# Altium PCB GD2.PcbDoc (part 2 of 2)
Units mil, origin at the board's own origin, x right, y up, seen from the top; angles counter-clockwise.
Board outline 3937.01 x 3937.01 mil, 4 copper layers (TOP, GND, PWR, BOT), stack 30.634 mil thick; 156 components, 154 nets, 1017 pads, 485 vias.
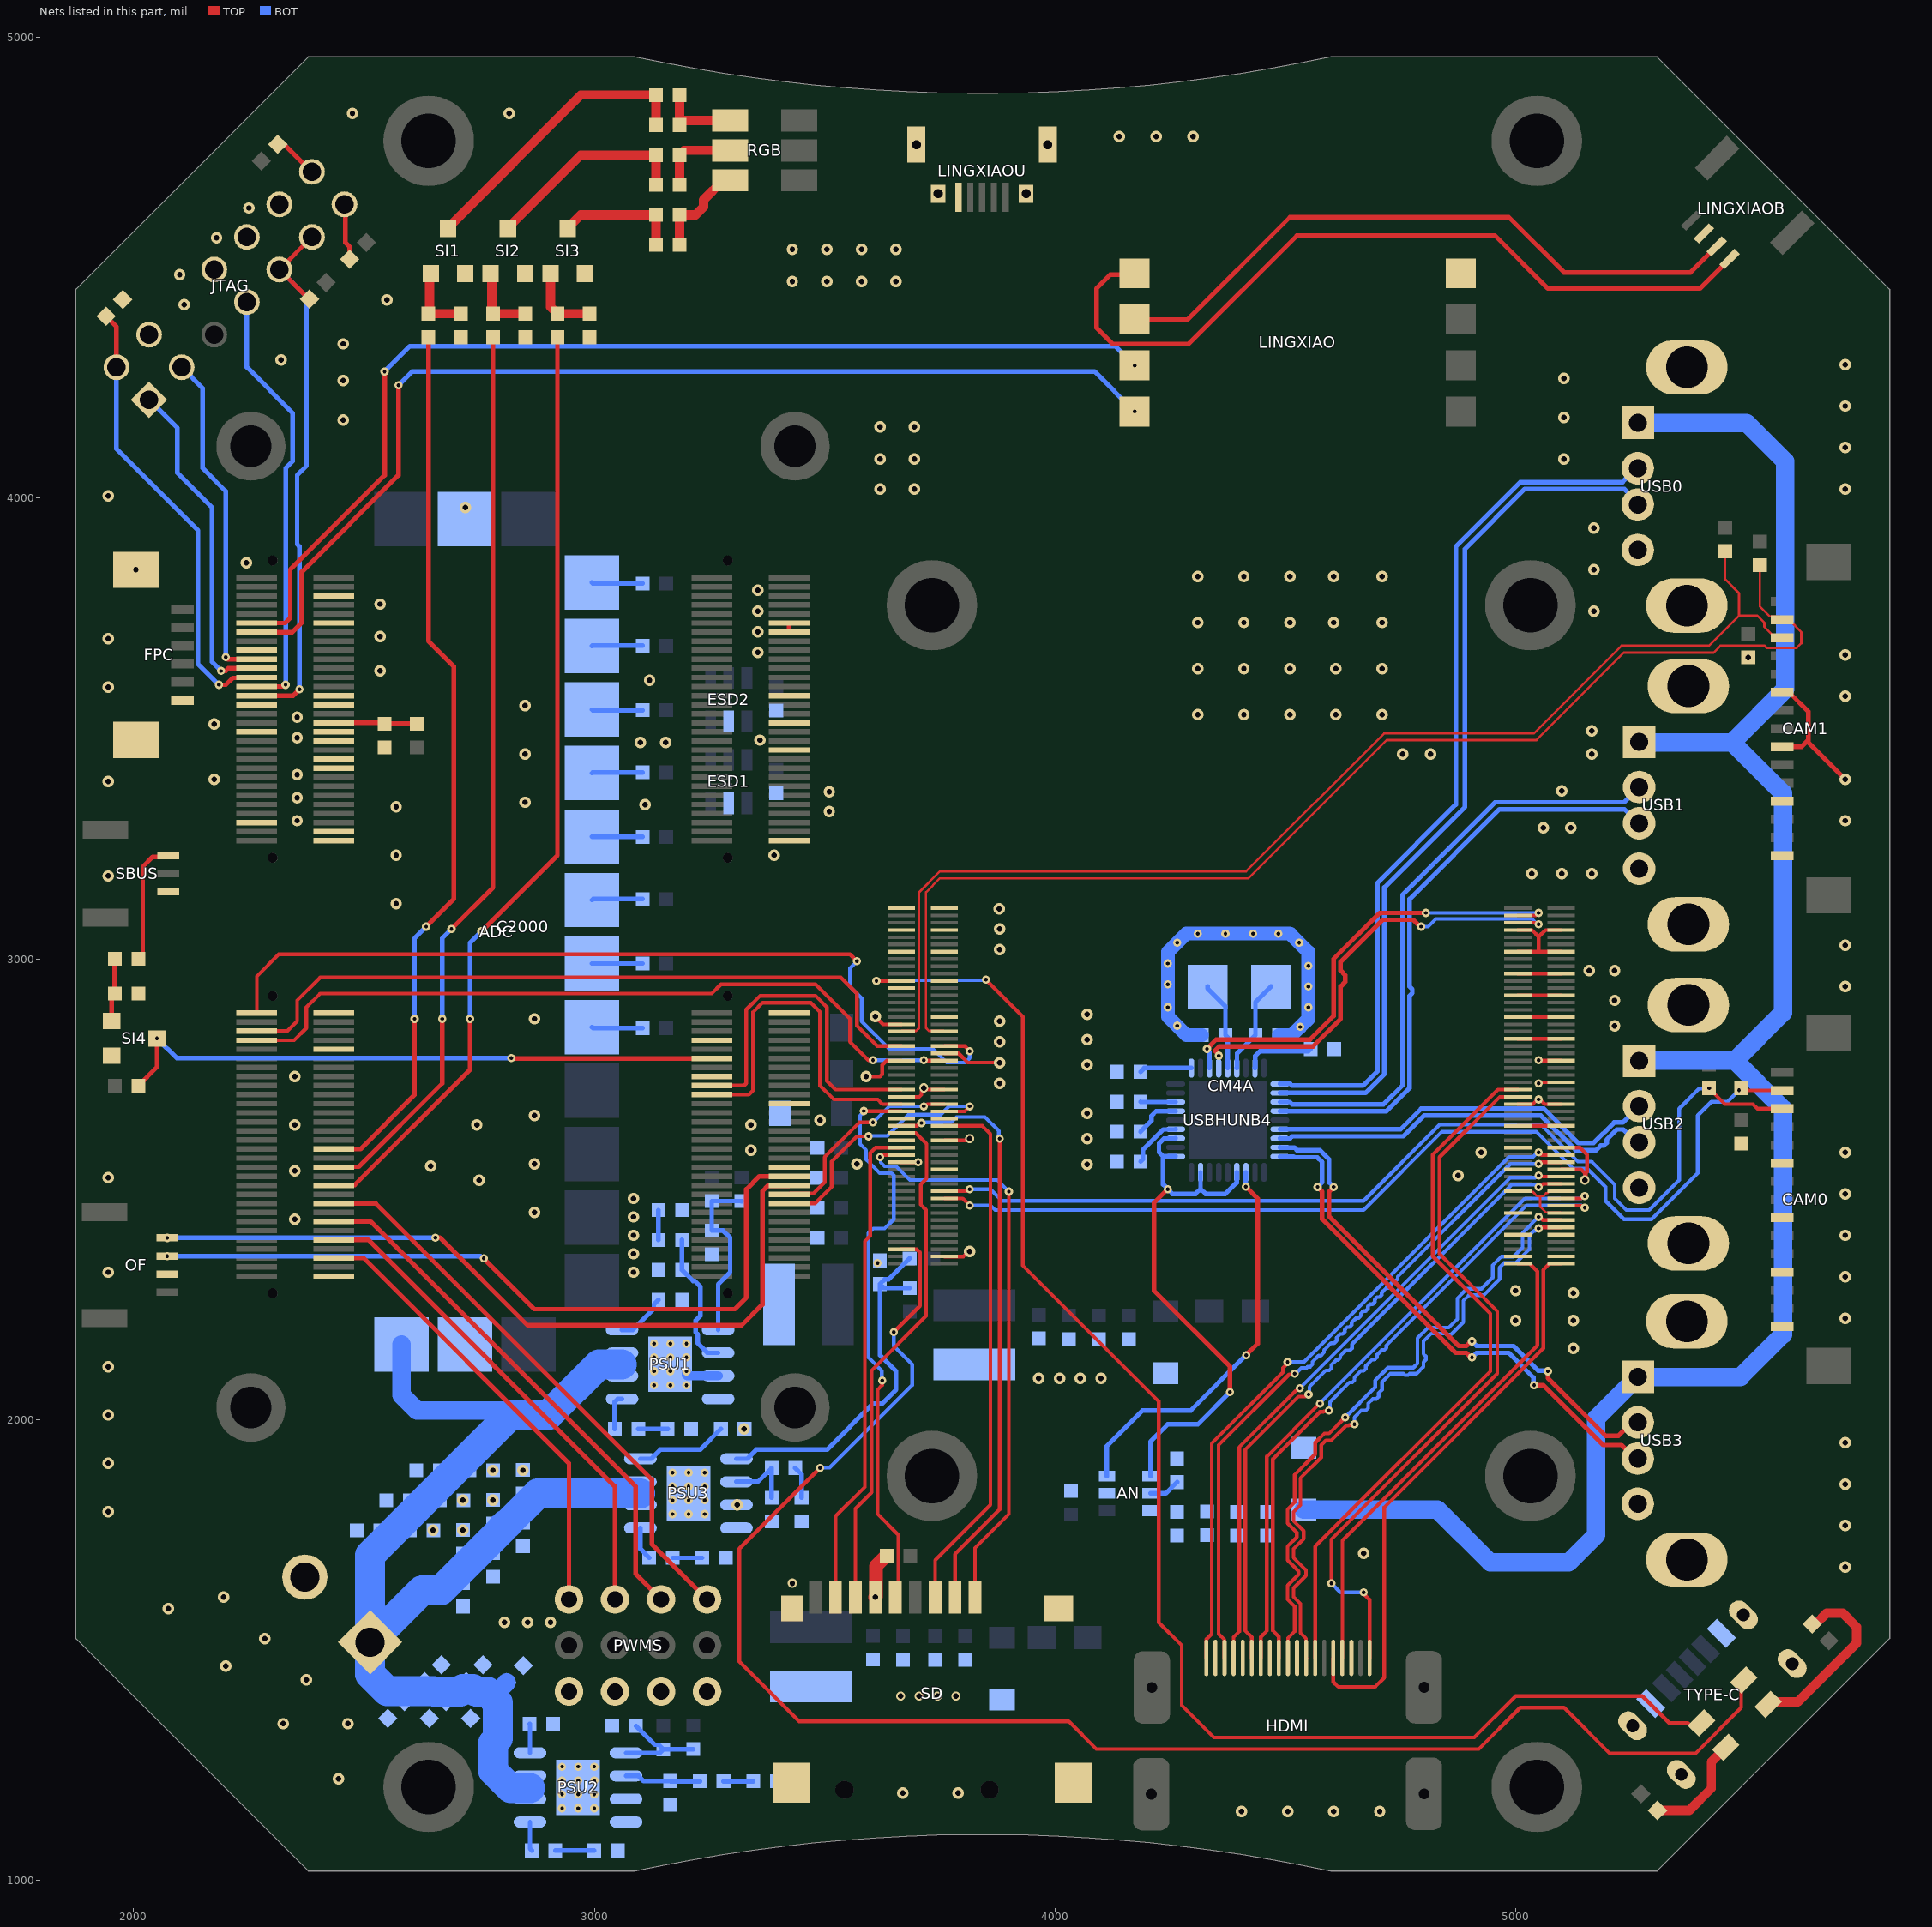
[diagram p4: the nets of this part, all layers, seen from the top]

## Via types
v1: diameter 25, hole 12, TOP to BOT, 218 vias
v2: diameter 18, hole 8, TOP to BOT, 208 vias
v3: diameter 50, hole 28, TOP to BOT, 35 vias
v4: diameter 25.98, hole 12.99, TOP to BOT, 16 vias
v5: diameter 20, hole 12, TOP to BOT, 8 vias

## Nets (pads, with @x,y where several pads share a name; then routed paths per layer and width w, separated by ;. In a path a pad name is that pad's centre, name@x,y a point inside that pad or via, vN(x,y) a via of type N, cw(c..) or ccw(c..) an arc to the next point about the centre after c; other vN are vias at no path point) (continued)
GND: ADC.17 ADC.18 AN.2 C1.1 C2.1 C3.1 C4.1 C5.1 C6.1 C7.1 C8.1 C9.1 C11.1 C12.1 C13.1 C15.1 C16.1 C17.1 C18.1 C19.1 C20.1 C21.1 C22.1 C23.1 C24.1 C26.1 C27.1 C28.1 C30.1 C31.1 C32.1 C33.1 C34.1 C35.1 C36.1 C37.1 C38.1 C39.1 C41.1 C42.1 C43.1 C45.1 C46.1 C47.1 C48.1 C49.2 C50.2 C51.1 C52.1 C53.1 C54.1 C55.1 C56.1 C57.1 C58.1 C2000.A2 C2000.A52 C2000.A60 C2000.B26 C2000.B40 C2000.B45 C2000.B53 C2000.B60 C2000.C12 C2000.C14 C2000.C28 C2000.C34 C2000.C40 C2000.C60 C2000.D6 C2000.D12 C2000.D17 C2000.D28 C2000.D29 C2000.D30 C2000.D35 C2000.D36 C2000.D38 C2000.D42 C2000.D44 C2000.D55 C2000.D58 C2000.D60 CAM0.1 CAM0.4 CAM0.7 CAM0.10 CAM1.1 CAM1.4 CAM1.7 CAM1.10 CM4A.1 CM4A.2 CM4A.7 CM4A.8 CM4A.13 CM4A.14 CM4A.22 CM4A.23 CM4A.32 CM4A.33 CM4A.42 CM4A.43 CM4A.52 CM4A.53 CM4A.59 CM4A.60 CM4A.65 CM4A.66 CM4A.71 CM4A.74 CM4A.98 CM4A.107 CM4A.108 CM4A.113 CM4A.114 CM4A.119 CM4A.120 CM4A.125 CM4A.126 CM4A.131 CM4A.132 CM4A.137 CM4A.138 CM4A.144 CM4A.150 CM4A.155 CM4A.156 CM4A.161 CM4A.162 CM4A.167 CM4A.168 CM4A.173 CM4A.174 CM4A.179 CM4A.180 CM4A.185 CM4A.186 CM4A.191 CM4A.192 CM4A.197 CM4A.198 CT1.2 CT2.2 CT3.2 CT4.2 ESD1.2 ESD2.2 FPC.0 FPC.6 HDMI.2 HDMI.5 HDMI.8 HDMI.11 HDMI.17 JTAG.4 JTAG.8 JTAG.10 JTAG.12 LINGXIAO.1 LINGXIAOB.2 LINGXIAOU.5 OF.2 PSU1.7 PSU1.9 PSU2.7 PSU2.9 PSU3.7 PSU3.9 PWMS.3 PWMS.6 PWMS.9 PWMS.12 PWR.2 R11.1 R15.1 R17.1 R19.1 R28.2 R31.1 R36.1 R40.1 R45.1 R46.1 R47.1 R48.1 R49.1 R50.1 SBUS.1 SD.6 SD.10 SI1.2 SI2.2 SI3.2 SI4.2 TYPE-C.0 TYPE-C.A12 TYPE-C.B12 USB0.4 USB1.4 USB2.4 USB3.4 | length 3128.9
  TOP w5: CM4A.179@5004.84,2495.91 5006.28,2494.47 5037.2,2494.47 5046.67,2485 5052.99,2485 ; CM4A.186@5098.54,2448.66 5097.11,2450.1 5064.9,2450.1 5052.99,2462.01 5052.99,2485 ; CM4A.180@5098.54,2495.91 5072.95,2495.91 5068.64,2491.59 5065.91,2491.59 5059.31,2485 5052.99,2485
  TOP w8: v1(3590,2745) 3620.31,2745 3625,2749.69 3625,2769.62 3634.69,2779.31 3666.2,2779.31 CM4A.43@3666.26,2779.37 ; v1(3610,2875) 3626.89,2858.11 CM4A.33@3666.26,2858.11 ; CM4A.71@3666.26,2558.9 v2(3703.3,2558.9) ; CM4A.53@3666.26,2700.63 3705.31,2700.63 3710,2705.32 3710,2711.75 3715,2716.75 v5(3715,2720) 3718.25,2720 3721.81,2716.44 3759.9,2716.44 CM4A.52@3759.96,2716.38 ; CM4A.98@3759.96,2354.17 3801.49,2354.17 3812.31,2365 v1(3815,2365) ; CM4A.66@3759.96,2606.14 3807.89,2606.14 3811.75,2610 v5(3815,2610) ; CM4A.42@3759.96,2795.12 CM4A.42@3759.96,2795.12 3790.47,2795.05 3810.52,2775 v1(3880,2775) ; CM4A.161@5004.84,2637.64 CM4A.162@5098.54,2637.64 ; CM4A.155@5004.84,2684.88 5004.91,2684.94 5037.24,2684.94 5047.29,2695 v2(5050,2695) 5052.71,2695 5062.76,2684.94 CM4A.156@5098.54,2684.88 CM4A.156@5098.54,2684.88 ; CM4A.137@5004.84,2826.61 CM4A.138@5098.54,2826.61 ; CM4A.131@5004.84,2873.86 CM4A.132@5098.54,2873.86 ; CM4A.125@5004.84,2921.1 CM4A.126@5098.54,2921.1 ; CM4A.119@5004.84,2968.35 CM4A.120@5098.54,2968.35 ; CM4A.113@5004.84,3015.59 5050,3015.59 ; CM4A.107@5004.84,3062.83 5004.91,3062.77 5035.35,3062.77 5050,3048.12 ; v2(5050,2730) 5052.71,2730 5054.83,2732.13 CM4A.150@5098.54,2732.13 ; v2(5050,2780) 5050.57,2779.43 CM4A.144@5098.54,2779.37 CM4A.144@5098.54,2779.37 ; CM4A.174@5098.54,2543.15 5141.85,2543.15 5150,2535 v5(5150,2520) 5152.3,2522.3 5152.3,2535.21 5155,2537.91 5155,2575 5139.61,2590.39 CM4A.168@5098.54,2590.39 ; CM4A.114@5098.54,3015.59 5050,3015.59 ; CM4A.108@5098.54,3062.83 CM4A.108@5098.54,3062.83 5064.65,3062.77 5050,3048.12 ; 5050,3015.59 5050,3048.12
  TOP w10: C2000.C14@3422.84,3709.38 C2000.C12@3422.84,3729.06 ; CAM1.7@5578.62,3460.63 5620.63,3460.63 5635,3475 ; CAM1.10@5578.62,3578.74 5593.39,3578.74 5635,3537.13 5635,3475 ; v1(5715,3390) 5635,3470 5635,3475
  TOP w30: v1(3610.08,1615) 3611.3,1616.22 3611.3,1681.89 C51.1@3634.41,1705
  BOT w20: v2(3200,2105) 3200,2097.11 3202.11,2095 PSU1.7@3268.94,2095
  BOT w30: C53.1@4318.82,2835 4285,2835 4245,2875 v2(4245,2990) 4245,3015 v2(4265,3035) 4285,3055 v2(4310,3055) v2(4370,3055) v2(4430,3055) 4510,3055 4550,3015 v2(4550,2940) v2(4550,2895) 4550,2870 v2(4532.5,2852.5) 4515,2835 C52.1@4486.18,2835
  other v1: 4405,1150 4505,1150 4605,1150 4705,1150 3670,1190 3790,1190 2445,1220 2325,1340 2465,1340 2375,1435 2200,1465 2285,1525 2805,1560 2855,1560 2905,1560 2075,1590 2195,1615 5715,1680 4670,1710 2650,1760 2715,1760 5715,1770 1945,1800 3310,1815 2715,1825 2780,1825 5715,1860 2780,1890 2845,1890 1945,1905 5715,1950 3325,1980 1945,2010 3965,2090 4010,2090 4055,2090 4100,2090 1945,2115 5125,2155 5000,2215 5125,2215 5715,2220 5125,2275 5000,2280 5715,2310 1945,2320 3085,2320 3085,2360 3085,2400 5715,2400 2350,2435 3085,2440 2870,2450 3085,2480 5715,2490 2750,2520 1945,2525 4875,2530 2350,2540 2645,2550 4069.52,2554.11 2870,2555 3570,2555 4925,2580 5715,2580 3340,2585 4070,2610 2350,2640 2745,2640 3340,2640 3490,2650 2870,2660 4070,2665 3880,2730 2350,2745 4070,2770 3880,2820 4070,2825 5215,2855 3880,2865 2870,2870 4070,2880 5215,2910 5715,2940 5160,2975 5215,2975 3880,3020 5715,3030 3880,3065 3878.88,3108.91 2570,3120 1945,3180 5035,3185 5100,3185 5165,3185 2570,3225 3390,3225 5060,3285 5120,3285 2355,3300 5715,3300 3510,3320 2570,3330 3110,3335 2850,3340 2355,3350 3510.04,3363.21 5100,3365 1945,3385 2175,3390 2355,3400 2850,3445 4755,3445 4815,3445 5165,3445 3100,3470 3155,3470 3360,3475 2355,3480 5165,3495 2175,3510 2355,3525 4310,3530 4410,3530 4510,3530 4610,3530 4710,3530 2850,3550 5715,3570 1945,3590 3120,3605 2535,3625 4310,3630 4410,3630 4510,3630 4610,3630 4710,3630 5505,3654.41 5715,3660 3355,3665 1945,3695 2535,3700 3355,3710 4310,3730 4410,3730 4510,3730 4605,3730 4710,3730 3355,3755 5170,3755 2535,3770 3355,3800 4310,3830 4410,3830 4510,3830 4605,3830 4710,3830 2005,3844.65 5170,3845 2245,3860 5170,3935 2720,3980 1945,4005 3620,4020 3695,4020 5715,4020 3620,4085 3695,4085 5105,4085 5715,4110 3620,4155 3695,4155 2455,4170 5105,4175 5715,4200 2455,4255 5105,4260 5715,4290 2320,4300 2455,4335 2110,4420 2550,4430 3430,4470 3505,4470 3580,4470 3655,4470 2100,4485 3430,4540 3505,4540 3580,4540 3655,4540 2180,4565 2250,4630 4140,4785 4220,4785 4300,4785 2475,4835 2815,4835
  other v2: 2930,1156.69 2965,1156.69 3000,1156.69 2930,1186.69 2965,1186.69 3000,1186.69 2930,1216.69 2965,1216.69 3000,1216.69 2930,1246.69 2965,1246.69 3000,1246.69 3169.8,1795 3204.8,1795 3239.8,1795 3169.8,1825 3204.8,1825 3239.8,1825 3169.8,1855 3204.8,1855 3239.8,1855 3169.8,1885 3204.8,1885 3239.8,1885 3130,2075 3165,2075 3200,2075 3130,2105 3165,2105 3130,2135 3165,2135 3200,2135 3130,2165 3165,2165 3200,2165 3615,2340 4265,2855 4245,2895 4245,2945 4550,2985 4530,3035 4485,3055
  other v5: 3665,1400 3705,1400 3745,1400 3785,1400 3430,1645
HD_0N: USB0.2 USBHUNB4.1 | length 1902
  BOT w10: USBHUNB4.1@4488.19,2728.74 4488.54,2729.09 4509.09,2729.09 4510,2730 4515,2725 4668.79,2725 4700,2756.21 4700,3165 4870,3335 4870,3895 5010,4035 5231.96,4035 5261.96,4065 USB0.2@5265,4065
HD_0P: USB0.3 USBHUNB4.2 | length 1901.7
  BOT w10: USBHUNB4.2@4488.19,2709.06 4488.54,2709.4 4674.4,2709.4 4715,2750 4715,3155 4890,3330 4890,3890 5020,4020 5235.7,4020 5265,3990.7 USB0.3@5265,3986.26
HD_1N: USB1.2 USBHUNB4.3 | length 1309.6
  BOT w10: USBHUNB4.3@4488.19,2689.37 4510,2689.37 4514.69,2684.69 4713.47,2684.69 4755,2726.21 4755,3140 4955,3340 5235.28,3340 USB1.2@5268.31,3373.03
HD_1P: USB1.3 USBHUNB4.4 | length 1309.3
  BOT w10: USBHUNB4.4@4488.19,2669.69 4719.69,2669.69 4770,2720 4770,2920 4775.86,2925.86 4775.86,2934.14 4770,2940 4770,3130 4965,3325 5235.98,3325 5266.69,3294.29 USB1.3@5268.31,3294.29
HD_2N: USB2.2 USBHUNB4.6 | length 863.1
  BOT w10: USBHUNB4.6@4488.19,2630.32 4750.31,2630.32 4795,2675 5061.21,2675 5136.21,2600 5168.79,2600 5213.79,2645 5232.6,2645 USB2.2@5268.31,2680.71
HD_2P: USB2.3 USBHUNB4.7 | length 866.3
  BOT w10: USBHUNB4.7@4488.19,2610.63 4488.54,2610.28 4509.72,2610.28 4510,2610 4515,2615 4756.21,2615 4801.21,2660 5055,2660 5130,2585 5175,2585 5185,2595 5191.64,2595 5197.5,2600.86 5197.5,2607.5 5220,2630 5233.3,2630 5261.33,2601.97 USB2.3@5268.31,2601.97
HD_3N: USB3.2 USBHUNB4.8 | length 1146.1
  TOP w10: v2(4605,2505) 4595,2495 4595,2441.21 4876.21,2160 4892.84,2160 4902.84,2170 v2(4905,2170) ; v2(5070,2105) 5070,2090 5195,1965 5223.05,1965 5252.42,1994.37 USB3.2@5265,1994.37
  BOT w10: USBHUNB4.8@4488.19,2590.94 4488.54,2590.6 4519.4,2590.6 4525,2585 4575,2585 4595,2565 4595,2515 v2(4605,2505) ; v2(4905,2170) 4915,2160 4995,2160 5048.47,2106.53 5068.47,2106.53 v2(5070,2105)
HD_3P: USB3.3 USBHUNB4.9 | length 1146.2
  TOP w10: v2(4570,2505) 4580,2495 4580,2435 4870,2145 4892.84,2145 4902.84,2135 v2(4905,2135) ; v2(5040,2075) 5060,2075 5190,1945 5230,1945 5259.37,1915.63 USB3.3@5265,1915.63
  BOT w10: USBHUNB4.9@4488.19,2571.26 4488.54,2570.91 4517.87,2570.91 4519.39,2569.39 4569.39,2569.39 4580,2558.79 4580,2515 v2(4570,2505) ; v2(4905,2135) 4915,2145 4985,2145 5038.47,2091.53 5038.47,2076.53 v2(5040,2075)
HDMI0_CEC: CM4A.151 HDMI.13 | length 1544.7
  TOP w8: HDMI.13@4565,1482.83 4565,1725 4945,2105 4945,2230 4820,2355 4820,2575 4961.38,2716.38 CM4A.151@5004.84,2716.38
HDMI0_CLK_N: CM4A.190 HDMI.12 | length 1384
  TOP w8: HDMI.12@4545.16,1482.83 4545.1,1482.9 4545.1,1524.9 4533,1537 4533,1600.38 4518,1615.38 4518,1634.62 4545,1661.62 4545,1673.38 4518,1700.38 4518,1719.62 4540,1741.62 4540,1758.38 4518,1780.38 4518,1799.62 4533,1814.62 4533,1873 4578,1918 4578,1944.62 4588.38,1955 4600,1955 4632,1987 4637.46,1987 4638.54,1988.09 4648.09,1988.09 v2(4650,1990) ; v2(5050,2415) 5052.71,2415 5054.87,2417.17 CM4A.190@5098.54,2417.17
  BOT w8: v2(4650,1990) 4650,2005 4665,2020 4675,2020 4680,2025 4680,2035 4690,2045 4697.81,2045 4702.5,2049.69 4702.5,2057.5 4710,2065 4710,2081.62 4728.38,2100 4756.69,2100 4760.03,2096.66 4766.66,2096.66 4770,2100 4785,2100 4800,2115 4800,2125 4805,2130 4805,2137.5 4800,2142.5 4800,2170 4817,2187 4848,2187 4850,2185 4860,2185 4865,2190 4886.69,2211.69 4886.69,2258.31 4898.38,2270 4930,2270 4965,2305 4965,2330 4975,2340 5000,2340 5030,2370 5030,2400 5040,2410 5042.29,2410 5047.29,2415 v2(5050,2415)
HDMI0_CLK_P: CM4A.188 HDMI.10 | length 1381.9
  TOP w8: HDMI.10@4505.79,1482.83 4505.92,1482.96 4505.92,1525.92 4520,1540 4520,1595 4505,1610 4505,1640 4529.19,1664.19 4529.19,1670.81 4505,1695 4505,1725 4525,1745 4525,1755 4505,1775 4505,1805 4520,1820 4520,1880 4565,1925 4565,1950 4585,1970 4595,1970 v2(4630,2005) ; v2(5050,2440) 5052.22,2440 5059.31,2432.91 CM4A.188@5098.54,2432.91
  BOT w8: v2(4630,2005) 4695,2070 4695,2085 4723,2113 4778,2113 4787,2122 4787,2177 4810,2200 4855,2200 4873.31,2218.31 4873.31,2263.31 4894.19,2284.19 4925.81,2284.19 4950,2308.38 4950,2335 4969.19,2354.19 4995.81,2354.19 5015,2373.38 5015,2405 5030,2420 5030,2420.46 5049.54,2440 v2(5050,2440)
HDMI0_HOTPLUG: CM4A.153 HDMI.19 | length 1575.7
  TOP w8: v2(4600,1645) 4600,1740 4960,2100 4960,2235 4835,2360 4835,2570 4965.63,2700.63 CM4A.153@5004.84,2700.63 ; v2(4670,1625) 4670,1622.29 4682.95,1609.34 HDMI.19@4682.95,1482.83
  BOT w8: v2(4600,1645) 4620,1625 v2(4670,1625)
HDMI0_SCL: CM4A.200 HDMI.15 | length 1247.8
  TOP w8: HDMI.15@4604.21,1482.83 4604.21,1430.79 4615,1420 4695,1420 4715,1440 4715,1810 5060,2155 5060,2325.35 5073.08,2338.43 CM4A.200@5098.54,2338.43
HDMI0_SDA: CM4A.199 HDMI.16 | length 1063.2
  TOP w8: HDMI.16@4623.9,1482.83 4623.9,1737.74 5047,2160.84 5047,2321.73 5030.31,2338.43 CM4A.199@5004.84,2338.43
HDMI0_TX0_N: CM4A.184 HDMI.9 | length 1411.7
  TOP w8: HDMI.9@4486.1,1482.84 4485.98,1482.96 4485.98,1529.02 4473,1542 4473,1914.62 4575.38,2017 4582.46,2017 4583.54,2018.09 4593.09,2018.09 v2(4595,2020) ; CM4A.184@5098.54,2464.41 v2@5142.88,2464.41
  BOT w8: v2(4595,2020) 4596.91,2021.91 4596.91,2038.53 4639.19,2080.81 4645.31,2080.81 4650,2085.49 4650,2091.62 4664.19,2105.81 4670.31,2105.81 4675,2110.49 4675,2116.62 4689.19,2130.81 4694.51,2130.81 4699.19,2135.49 4699.19,2140.81 4709.19,2150.81 4714.51,2150.81 4719.19,2155.49 4719.19,2160.81 5023.38,2465 5142.29,2465 5147.29,2460 v2(5150,2460)
HDMI0_TX0_P: CM4A.182 HDMI.7 | length 1420.3
  TOP w8: HDMI.7@4446.73,1482.84 4446.61,1482.96 4446.61,1528.39 4460,1541.79 4460,1920 v2(4575,2035) ; CM4A.182@5098.54,2480.16 5142.45,2480.16 5147.29,2485 v2(5150,2485)
  BOT w8: v2(4575,2035) 5020,2480 5142.29,2480 5147.29,2485 v2(5150,2485)
HDMI0_TX1_N: CM4A.178 HDMI.6 | length 1406.9
  TOP w8: HDMI.6@4427.05,1482.83 4427.05,1527.95 4413,1542 4413,1934.62 4528.38,2050 4543.05,2050 4547.74,2054.69 v2(4550.44,2054.69) ; v2(5050,2505) 5052.65,2505 5059.31,2511.65 CM4A.178@5098.54,2511.65
  BOT w8: v2(4550.44,2054.69) 4552.36,2056.6 4552.36,2071.26 4587.97,2106.88 4595.31,2106.88 4600,2111.57 4600,2118.91 4610.55,2129.45 4614.77,2129.45 4619.45,2134.14 4619.45,2138.36 4631.09,2150 4640,2150 4645,2155 4645,2163.91 4991.09,2510 5042.29,2510 5047.29,2505 v2(5050,2505)
HDMI0_TX1_P: CM4A.176 HDMI.4 | length 1406.8
  TOP w8: HDMI.4@4387.68,1482.83 4387.81,1482.96 4387.81,1527.81 4400,1540 4400,1940 4522.98,2062.98 4523.97,2062.98 4528.99,2068 v2(4531.67,2068) ; v2(5050,2530) 5052.71,2530 5055.3,2527.4 CM4A.176@5098.54,2527.4
  BOT w8: v2(4531.67,2068) 4531.67,2068.97 4987.71,2525 5042.29,2525 5047.29,2530 v2(5050,2530)
HDMI0_TX2_N: CM4A.172 HDMI.3 | length 1500.5
  TOP w8: HDMI.3@4367.99,1482.83 4367.87,1482.96 4367.87,1522.13 4355,1535 4355,1945 4508.09,2098.09 4518.09,2098.09 v2(4520,2100) ; v2(5050,2555) 5053.9,2558.9 CM4A.172@5098.54,2558.9
  BOT w8: v2(4520,2100) 4522.71,2100 4534.71,2112 4545.38,2112 4548.38,2115 4554.15,2115 4558.84,2119.69 4558.84,2125.45 4572.29,2138.9 4577.29,2138.9 4584.19,2145.81 4584.19,2150.81 4599.19,2165.81 4605.81,2165.81 4611.69,2171.69 4611.69,2178.31 4619.19,2185.81 4624.51,2185.81 4629.19,2190.49 4629.19,2195.81 4634.19,2200.81 4639.51,2200.81 4644.19,2205.49 4644.19,2210.81 4654.19,2220.81 4659.51,2220.81 4664.19,2225.49 4664.19,2230.81 4669.19,2235.81 4674.51,2235.81 4679.19,2240.49 4679.19,2245.81 4684.19,2250.81 4689.51,2250.81 4694.19,2255.49 4694.19,2260.81 4699.19,2265.81 4704.51,2265.81 4709.19,2270.49 4709.19,2275.81 4719.19,2285.81 4724.51,2285.81 4729.19,2290.49 4729.19,2295.81 4734.19,2300.81 4739.51,2300.81 4744.19,2305.49 4744.19,2310.81 4988.38,2555 v2(5050,2555)
HDMI0_TX2_P: CM4A.170 HDMI.1 | length 1499.5
  TOP w8: HDMI.1@4328.62,1482.83 4328.75,1482.96 4328.75,1523.75 4340,1535 4340,1948.38 4495,2103.38 4495,2112.29 4505,2122.29 v2(4505,2125) ; v2(5050,2580) 5055.35,2574.65 CM4A.170@5098.54,2574.65
  BOT w8: v2(4505,2125) 4540,2125 4985,2570 5037.29,2570 5047.29,2580 v2(5050,2580)
NetADC_1: ADC.1 R1.2 | length 110.7
  BOT w10: ADC.1@2995,3816.77 2996.77,3815 R1.2@3105,3815
NetADC_2: ADC.2 R2.2 | length 110.4
  BOT w10: ADC.2@2995,3678.98 2996.02,3680 R2.2@3105,3680
NetADC_3: ADC.3 R3.2 | length 110.5
  BOT w10: ADC.3@2995,3541.18 2996.18,3540 R3.2@3105,3540
NetADC_4: ADC.4 R4.2 | length 110.7
  BOT w10: ADC.4@2995,3403.39 2996.61,3405 R4.2@3105,3405
NetADC_5: ADC.5 R5.2 | length 110.2
  BOT w10: ADC.5@2995,3265.59 2995.59,3265 R5.2@3105,3265
NetADC_6: ADC.6 R6.2 | length 110.9
  BOT w10: ADC.6@2995,3127.8 2997.2,3130 R6.2@3105,3130
NetADC_7: ADC.7 R7.2 | length 110
  BOT w10: ADC.7@2995,2990 R7.2@3105,2990
NetADC_8: ADC.8 R8.2 | length 110.9
  BOT w10: ADC.8@2995,2852.2 2997.2,2850 R8.2@3105,2850
NetAN_5: AN.5 R50.2 | length 67.9
  BOT w10: AN.5@4207.24,1840 4240.59,1840 R50.2@4265,1864.41
NetC10_1: C10.1 PSU1.1 | length 77.1
  BOT w10: C10.1@3044.41,1980 3044.41,2038.53 3050.87,2045 PSU1.1@3060.28,2045
NetC10_2: C10.2 R32.1 | length 63.8
  BOT w10: C10.2@3095.59,1980 R32.1@3159.41,1980
NetC11_2: C11.2 PSU1.4 | length 111.5
  BOT w10: PSU1.4@3060.28,2195 3083.71,2195 3129.41,2240.7 3129.41,2250 C11.2@3139.41,2260
NetC12_2: C12.2 PSU1.6 R29.2 | length 301.5
  BOT w10: R29.2@3190.59,2390 C12.2@3190.59,2325 3214.73,2300.86 3218.28,2300.86 3230,2289.14 3230,2225 3220,2215 3220,2190 3225,2185 3225,2165.5 3245.5,2145 PSU1.6@3268.94,2145
NetC13_2: C13.2 R29.1 | length 65
  BOT w10: R29.1@3139.41,2390 C13.2@3139.41,2455
NetC14_1: C14.1 PSU1.5 R30.1 R31.2 | length 385.7
  BOT w10: PSU1.5@3268.94,2195 3268.94,2293.94 3295,2320 3295,2395 3279.41,2410.59 R31.2@3255,2410.59 R30.1@3255,2474.41 3319.41,2474.41 C14.1@3319.59,2474.23
NetC25_1: C25.1 PSU2.1 | length 63.4
  BOT w10: PSU2.1@2860.28,1126.69 2860.28,1069.13 C25.1@2864.41,1065
NetC25_2: C25.2 R33.1 | length 83.8
  BOT w10: C25.2@2915.59,1065 R33.1@2999.41,1065
NetC26_2: C26.2 PSU2.4 | length 63.7
  BOT w10: C26.2@2859.41,1340 2860.28,1339.13 PSU2.4@2860.28,1276.69
NetC27_2: C27.2 PSU2.6 R34.2 | length 165.3
  BOT w10: PSU2.6@3068.94,1226.69 3096.16,1226.69 3107.26,1215.59 C27.2@3165,1215.59 3165.59,1215 R34.2@3229.41,1215
NetC28_2: C28.2 R34.1 | length 64.4
  BOT w10: R34.1@3280.59,1215 C28.2@3345,1215
NetC29_1: C29.1 PSU2.5 R35.1 R36.2 | length 229.9
  BOT w10: PSU2.5@3068.94,1276.69 3142.28,1276.69 R35.1@3150,1284.41 ; R36.2@3090.59,1335 3131.18,1294.41 3140,1294.41 R35.1@3150,1284.41 ; C29.1@3215,1285 3214.41,1284.41 R35.1@3150,1284.41
NetC40_1: C40.1 PSU3.1 | length 73
  BOT w10: PSU3.1@3100.08,1765 3100.08,1719.33 C40.1@3119.41,1700
NetC40_2: C40.2 R37.1 | length 63.8
  BOT w10: C40.2@3170.59,1700 R37.1@3234.41,1700
NetC41_2: C41.2 PSU3.4 | length 201.8
  BOT w10: PSU3.4@3100.08,1915 3123.51,1915 3143.51,1935 3230,1935 C41.2@3275,1980
NetC42_2: C42.2 PSU3.6 R38.2 | length 153.1
  BOT w10: PSU3.6@3308.74,1865 3355,1865 R38.2@3385,1895 C42.2@3385,1830.59
NetC43_2: C43.2 R38.1 | length 70.1
  BOT w10: R38.1@3436.18,1895 3450,1881.18 C43.2@3450,1830.59
NetC44_1: C44.1 PSU3.5 R39.1 R40.2 | length 808.4
  BOT w10: PSU3.5@3308.74,1915 3332.17,1915 3352.17,1935 3505,1935 3605,2035 3625,2035 3655,2065 3655,2105 3620,2140 R40.2@3620,2294.41 ; R39.1@3684.41,2350 3638.82,2304.41 3630,2304.41 R40.2@3620,2294.41 ; C44.1@3685,2285.59 3628.82,2285.59 R40.2@3620,2294.41
NetC52_2: C52.2 USBHUNB4.33 XT1.1 | length 207.6
  BOT w10: USBHUNB4.33@4394.69,2763.19 4395.03,2763.54 4395.03,2795.03 C52.2@4435,2835 4435,2906.1 XT1.1@4468.9,2940
NetC53_2: C53.2 USBHUNB4.32 XT1.2 | length 195
  BOT w10: XT1.2@4331.1,2940 4331.1,2936.06 4370,2897.17 C53.2@4370,2835 4375,2830 USBHUNB4.32@4375,2763.19
NetCM4A_21: CM4A.21 LED1.2 | length 3267
  TOP w8: v2(3612.4,2952.6) CM4A.21@3666.26,2952.6 ; v2(3850,2955) 3930,2875 3930,2335 4225,2040 4225,1560 4275,1510 4275,1380 4345,1310 4910,1310 5000,1400 5275,1400 5333.55,1341.45 5373.86,1341.45 5379.16,1336.14 5398.25,1336.14 LED1.2@5403.56,1341.45